# Altium PCB spin5v1_simple.PcbDoc (part 11 of 25)
Units mm, origin at the board's own origin, x right, y up, seen from the top; angles counter-clockwise.
Board outline 220.03 x 233.43 mm, 2 copper layers (TOP, BOTTOM), stack 0.176 mm thick; 1457 components, 4724 nets, 19245 pads, 25289 vias.
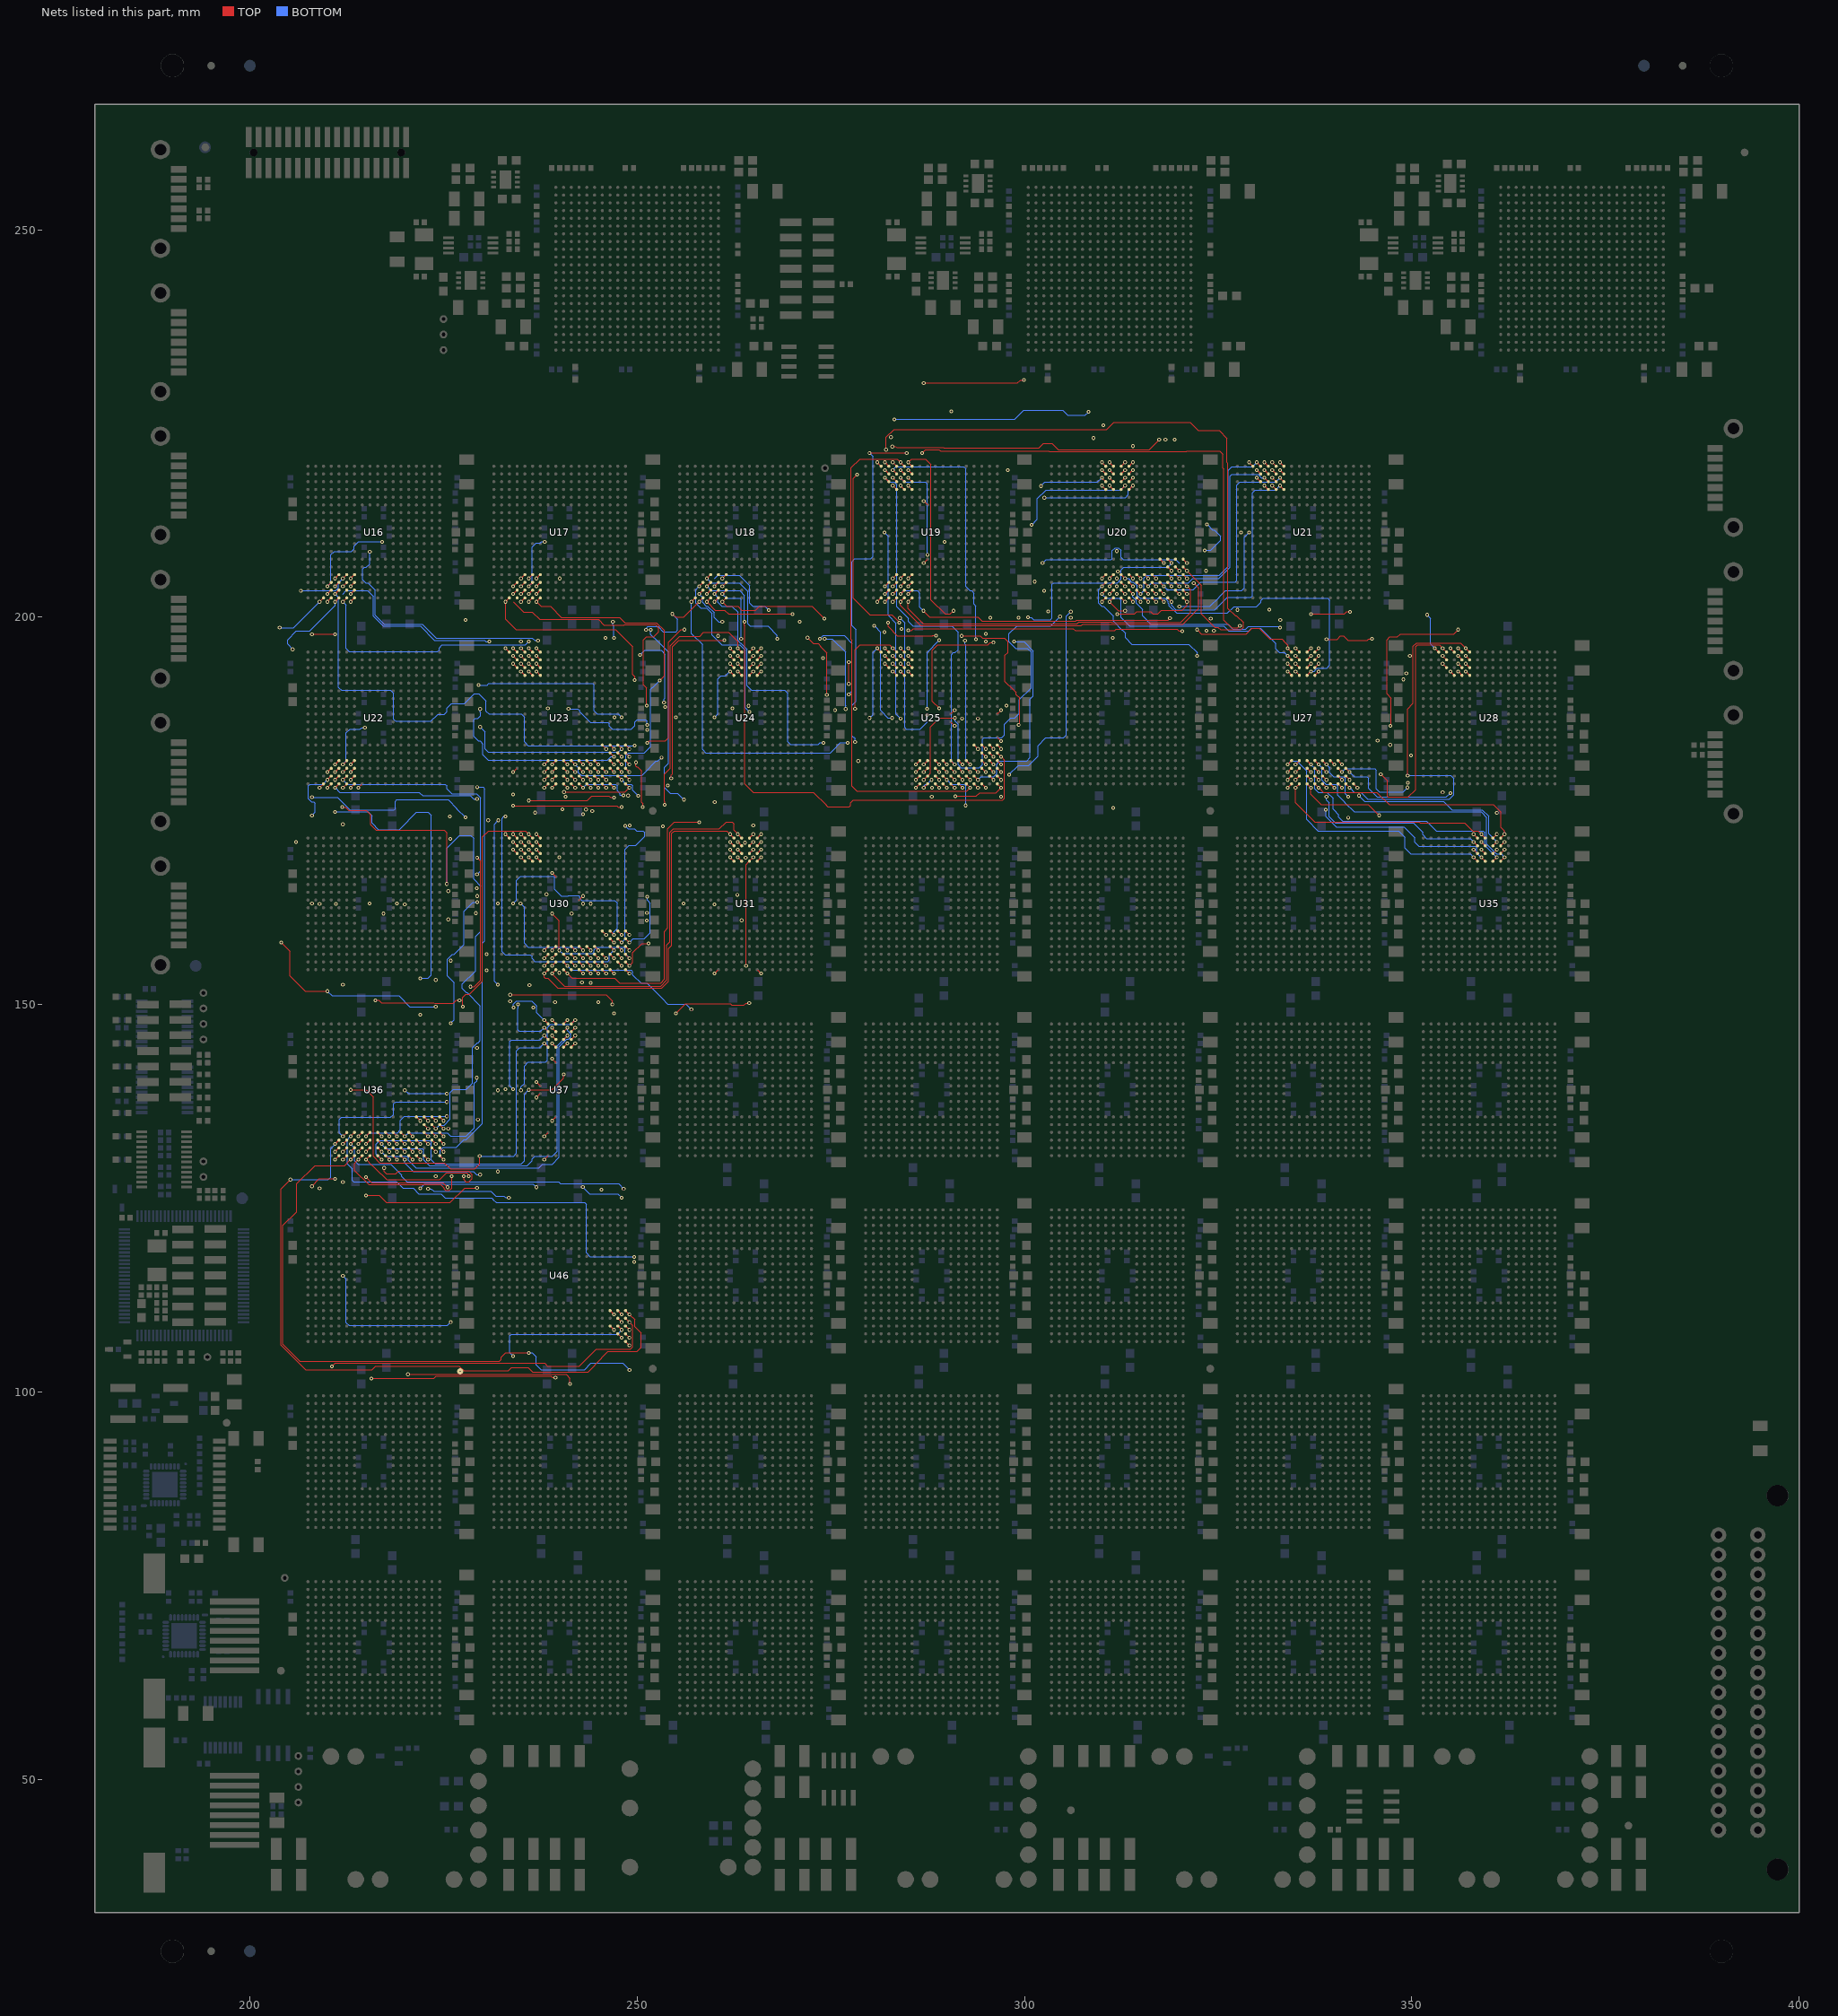
[diagram p11: the nets of this part, all layers, seen from the top]

## Via types
v1: diameter 0.48, hole 0.25, TOP to BOTTOM, 22348 vias
v2: diameter 0.61, hole 0.3, TOP to BOTTOM, 2059 vias
v3: diameter 0.8, hole 0, TOP to BOTTOM, 882 vias

## Nets (pads, with @x,y where several pads share a name; then routed paths per layer and width w, separated by ;. In a path a pad name is that pad's centre, name@x,y a point inside that pad or via, vN(x,y) a via of type N, cw(c..) or ccw(c..) an arc to the next point about the centre after c; other vN are vias at no path point) (continued)
S21_L2<5>: U36.V5 U46.P16 | length 11.1
  TOP w0.127: v1(215,127.718) 215.722,126.996 224.942,126.996 v1(225.516,126.422)
  other v1: 247,110 211,130
S21_L2<6>: U36.U5 U46.P17 | length 20.1
  BOTTOM w0.127: v1(212,115) 212.432,114.568 212.432,108.95 212.813,108.569 225.494,108.569 v1(225.925,109)
  other v1: 248,110 211,131
S21_L2<7>: U36.T5 U46.P18 | length 108.5
  TOP w0.127: v1(205.229,127.402) 204.004,126.177 204.004,106.016 207.179,102.841 215.74,102.841 216.234,103.335 226.989,103.335 227.616,102.708 233.355,102.708 233.782,103.135 235.933,103.135 236.485,102.583 243.653,102.583 245.431,104.361 245.431,104.42 246.257,105.246 249.978,105.246 250.486,105.754 250.486,107.603 249.685,108.404 249.685,109.315 v1(249,110) ; v1(220.4,102.273) 240.82,102.273 241.328,101.765 v1(241.328,101.028)
  BOTTOM w0.127: v1(205.229,127.402) 210.113,127.402 210.431,127.72 210.431,131.431 v1(211,132)
  other v3: 227.162,102.66
S21_L2<8>: U36.R7 U46.V18 | length 50.3
  BOTTOM w0.127: v1(213,133) 212.568,132.568 212.568,129.421 213.193,128.796 213.193,127.311 213.384,127.12 218.944,127.12 219.773,126.291 221.074,126.291 221.788,125.577 224.67,125.577 225.209,125.038 231.232,125.038 231.431,124.839 231.431,124.812 231.812,124.431 243.232,124.431 243.431,124.232 243.431,117.939 243.939,117.431 v1(249.607,117.431)
  other v1: 249,106 214,130 213,132
S21_L2<9>: U36.V6 U46.R17 | length 5.6
  BOTTOM w0.127: v1(242.979,126.435) 243.867,125.547 247.515,125.547 v1(248,125.062)
  other v1: 248,109 212,127.096 212,130
S21_L2<10>: U36.U6 U46.R18 | length 43.6
  TOP w0.127: v1(210.571,103.272) 211.002,103.703 238.056,103.703 238.425,103.334 242.539,103.334 244.254,105.049 244.254,105.055 244.699,105.5 249.113,105.5 249.431,105.818 249.431,108.569 v1(249,109)
  other v1: 209,126.262 212,131
S21_L2<11>: U36.T6 U46.T16
  other v1: 247,108 245.4,126.116 212,132
S21_L2<12>: U36.R6 U46.T17 | length 35.5
  BOTTOM w0.127: v1(212,133) 211.568,133.432 211.568,135.177 211.822,135.431 218.164,135.431 218.561,135.828 218.561,137.177 218.815,137.431 v1(225.431,137.431) ; v1(234,104.611) 233.569,105.042 233.569,107.232 233.768,107.431 247.431,107.431 v1(248,108)
S21_L2<13>: U36.V7 U46.T18 | length 78.2
  TOP w0.127: v1(213,130) 212.209,129.209 208.391,129.209 206.041,126.859 206.041,123.258 204.258,121.475 204.258,106.14 206.417,103.981 232.232,103.981 232.431,104.18 232.431,104.47 233.003,105.042 v1(236,105.042)
  BOTTOM w0.127: v1(236,105.042) 236.431,105.042 236.939,104.534 236.939,103.515 237.574,102.88 243.224,102.88 244.043,103.699 248.148,103.699 v1(249.007,102.84)
  other v1: 249,108
S21_L2<14>: U36.U7 U46.U17 | length 24
  TOP w0.127: v1(215.687,101.724) 223.737,101.724 224.032,102.019 238.853,102.019 239.03,101.842 v1(239.461,101.842)
  other v1: 248,107 213,131
S21_L2<15>: U36.T7 U46.U18 | length 38.7
  BOTTOM w0.127: 213,132 213.505,131.495 213.505,129.848 213.95,129.403 218.215,129.403 219.612,128.006 219.612,127.806 220.311,127.107 239.842,127.107 240.083,126.866 247.595,126.866 v1(248.261,126.2)
  other v1: 249,107 249.607,116.8
S22_L0<0>: U36.R11 U37.D11 | length 5.6
  BOTTOM w0.127: v1(220,138.931) 220.431,138.5 v1(225.431,138.5)
  other v1: 218,133 242,145 233.599,150.431
S22_L0<1>: U36.V10 U37.A10 | length 39.4
  TOP w0.127: v1(236,138.996) 238.989,138.996 240.513,140.52 v1(240.513,141)
  BOTTOM w0.127: v1(217,130) 216.315,130.685 216.315,131.986 216.76,132.431 223.232,132.431 223.431,132.232 223.431,129.942 223.939,129.434 235.05,129.434 235.431,129.815 235.431,138.427 v1(236,138.996)
  other v1: 241,148
S22_L0<2>: U36.U10 U37.B10 | length 42.2
  BOTTOM w0.127: v1(217,131) 217.569,130.431 220.232,130.431 220.431,130.232 220.431,129.923 221.447,128.907 237.299,128.907 237.795,129.403 239.05,129.403 239.939,130.292 239.939,144.565 240.892,145.518 241.127,145.518 241.431,145.822 241.431,146.178 241,146.609 v1(241,147)
  other v1: 238,130
S22_L0<3>: U36.T10 U37.C10 | length 41
  BOTTOM w0.127: v1(217,132) 217.569,131.431 222.232,131.431 222.431,131.232 222.431,129.942 223.193,129.18 235.796,129.18 236.431,129.815 236.431,130.05 236.812,130.431 239.05,130.431 239.685,131.066 239.685,144.685 v1(241,146)
  other v1: 238,133 239,135 237,138 237,140 239,143
S22_L0<4>: U36.R10 U37.D10
  other v1: 217,133 229.317,144.4 241,145
S22_L0<5>: U36.V11 U37.A11 | length 29.3
  TOP w0.127: v1(217.328,128.907) 217.328,128.475 217.646,128.157 218.829,128.157 219.179,128.507 228.215,128.507 228.66,128.062 228.66,127.534 228.263,127.137 227.876,127.137 227.622,127.391 v1(227.622,127.822)
  BOTTOM w0.127: v1(235,138.931) 235,139.404 235.1,139.504 235.113,139.504 235.431,139.822 235.431,142.058 235.939,142.566 238.177,142.566 238.431,142.82 238.431,147.05 238.812,147.431 241.431,147.431 v1(242,148)
  other v1: 218,130
S22_L0<6>: U36.U11 U37.B11 | length 11.2
  TOP w0.127: v1(216.2,150.558) 216.631,150.558 216.958,150.231 223.786,150.231 223.862,150.155 226.228,150.155 226.628,150.555 v1(227.059,150.555)
  other v1: 218,131 242,147 242.865,152.842
S22_L0<7>: U36.T11 U37.C11
  other v1: 218,132 242,146
S22_L0<8>: U36.R9 U37.D9 | length 12.2
  BOTTOM w0.127: v1(215,133) 215.431,133.431 219.05,133.431 219.431,133.812 219.431,135.061 219.939,135.569 v1(225.431,135.569)
  other v1: 239,145 236.607,149.631
S22_L0<9>: U36.V8 U37.A8 | length 23.1
  TOP w0.127: 214,130 213.503,129.503 213.503,128.584 215.345,126.742 224.64,126.742 225.085,126.297 225.085,126.19 225.284,125.991 225.737,125.991 226.055,126.309 v1(226.055,127.822)
  BOTTOM w0.127: v1(234.03,149.631) 234.03,150.065 234.427,150.462 236.403,150.462 237.038,149.827 237.038,148.939 237.546,148.431 237.569,148.431 v1(238,148)
S22_L0<10>: U36.U8 U37.B8 | length 7
  BOTTOM w0.127: v1(234.637,150.031) 234.637,149.6 234.569,149.532 234.569,146.768 234.768,146.569 237.569,146.569 v1(238,147)
  other v1: 214,131 232,138.931
S22_L0<11>: U36.T8 U37.C8 | length 26.6
  TOP w0.127: v1(215,125.37) 216.707,125.37 217.501,124.576 217.501,124.561 217.601,124.461 225.857,124.461 227.727,126.331 v1(229.317,126.331)
  BOTTOM w0.127: v1(234,139.067) 233.569,139.498 233.569,145.232 233.768,145.431 237.431,145.431 v1(238,146)
  other v1: 232,128.445 214,132
S22_L0<12>: U36.R8 U37.D8 | length 48.8
  TOP w0.127: v1(213,138.996) 214.987,138.996 215.94,138.043 215.94,130.395 216.766,129.569 225.101,129.569 225.886,128.784 229.03,128.784 229.665,129.419 v1(229.665,130.431)
  BOTTOM w0.127: v1(229.665,130.431) 234.05,130.431 234.431,130.812 234.431,144.05 234.812,144.431 237.431,144.431 v1(238,145)
  other v1: 214,133
S22_L0<13>: U36.V9 U37.A9 | length 15
  TOP w0.127: v1(215,130) 215.727,129.273 215.796,129.273 216.193,128.876 216.193,128.852 217.654,127.391 224.508,127.391 225.37,128.253 227.989,128.253 228.229,128.013 v1(228.229,127.822)
  other v1: 239,148
S22_L0<14>: U36.U9 U37.B9
  other v1: 215,131 239,147
S22_L0<15>: U36.T9 U37.C9 | length 15.4
  BOTTOM w0.127: v1(222,126.296) 222.557,126.853 236.569,126.853 v1(237,126.422)
  other v1: 215,132 239,146
S22_L1<0>: U30.D7 U36.V16
  other v1: 223,130 237,169
S22_L1<1>: U30.A6 U36.V14 | length 29.7
  TOP w0.127: v1(227.49,149.723) 227.49,150.916 227.871,151.297 228.32,151.297 230.035,153.012 230.035,171.669 230.797,172.431 235.569,172.431 v1(236,172)
  other v1: 221,130 222,148.685
S22_L1<2>: U30.B6 U36.U14
  other v1: 221,131 236,171
S22_L1<3>: U30.C6 U36.T14
  other v1: 221,132 232,163.067 236,170
S22_L1<4>: U30.D6 U36.R14
  other v1: 221,133 229.177,161.8 236,169
S22_L1<5>: U30.A7 U36.V15 | length 10.9
  BOTTOM w0.127: v1(223,126.206) 223.431,126.206 223.757,125.88 225.33,125.88 225.35,125.9 231.128,125.9 231.735,125.293 232.769,125.293 233,125.062 v1(233.431,125.062)
  other v1: 222,130 237,172
S22_L1<6>: U30.B7 U36.U15
  other v1: 222,131 229.431,135.158 229.35,164.014 237,171 230.771,173.8
S22_L1<7>: U30.C7 U36.T15
  other v1: 222,132 236.1,152.509 237,170
S22_L1<8>: U30.D5 U36.R13 | length 16.4
  BOTTOM w0.127: v1(220,133) 220.431,133.431 225.472,133.431 225.899,133.004 227.92,133.004 229,134.084 229,139.836 229.291,140.127 v1(229.291,140.558)
  other v1: 235,169
S22_L1<9>: U30.A3 U36.V12
  other v1: 219,130 233,172
S22_L1<10>: U30.A4 U36.U12
  other v1: 219,131 225.923,155.672 234,172
S22_L1<11>: U30.B4 U36.T12
  other v1: 219,132 230.569,154.43 234,171
S22_L1<12>: U30.C4 U36.R12
  other v1: 219,133 234,170
S22_L1<13>: U30.A5 U36.V13 | length 10.8
  BOTTOM w0.127: v1(220,130) 220,129.553 221.08,128.473 228.858,128.473 229.286,128.045 v1(229.717,128.045)
  other v1: 235,172
S22_L1<14>: U30.B5 U36.U13
  other v1: 220,131 223.999,153.178 235,171
S22_L1<15>: U30.C5 U36.T13
  other v1: 220,132 235,170
S22_L2<0>: U22.R5 U36.R16 | length 37.3
  BOTTOM w0.127: v1(211,174.866) 215.266,174.866 215.774,174.358 215.774,173.423 216.6,172.597 219.288,172.597 220.431,173.74 220.431,173.783 221.511,174.863 222.986,174.863 223.431,174.418 223.431,153.79 223.034,153.393 v1(222,153.393)
  other v1: 223,133 211,181
S22_L2<1>: U22.V3 U36.N15
  other v1: 222,135 209,163 209,178
S22_L2<2>: U22.V4 U36.N16
  other v1: 223,135 211.099,163 229.307,165.014 210,178
S22_L2<3>: U22.U4 U36.N17 | length 10.7
  TOP w0.127: v1(208,126.54) 208.956,127.496 v1(211,127.496)
  BOTTOM w0.127: v1(208,174.394) 208.431,174.825 208.431,175.978 208.232,176.177 207.966,176.177 207.569,176.574 207.569,178.232 207.768,178.431 209.431,178.431 v1(210,179)
  other v1: 224,127.822 224,135
S22_L2<4>: U22.T4 U36.N18
  other v1: 225,135 210,180
S22_L2<5>: U22.V5 U36.P16 | length 37.1
  BOTTOM w0.127: v1(211,178) 211.597,177.403 221.838,177.403 222.287,176.954 228.459,176.954 228.886,176.527 v1(229.317,176.527) ; v1(225.918,147.6) 226.349,148.031 226.349,152.827 225.492,153.684 225.492,155.858 226.127,156.493 226.388,156.493 227.658,157.763 227.658,162.064 228.801,163.207 v1(229.346,163.207)
  other v1: 223,134 214,178
S22_L2<6>: U22.U5 U36.P17 | length 74.8
  TOP w0.127: v1(211.93,175.497) 212.361,175.497 212.779,175.079 215.037,175.079 215.609,174.507 215.609,173.207 216.308,172.508 225.113,172.508 225.431,172.19 v1(225.431,165.57)
  BOTTOM w0.127: v1(224,134) 224.431,134.431 225.068,134.431 225.862,135.225 225.862,138.623 226.259,139.02 227.92,139.02 228.746,139.846 228.746,144.45 229.381,145.085 229.494,145.085 229.748,145.339 229.748,149.836 228.033,151.551 227.935,151.551 227.427,152.059 227.427,152.637 229.15,154.36 229.15,158.779 229.781,159.41 229.781,165.306 228.896,166.191 228.896,171.45 228.515,171.831 227.082,171.831 225.431,170.18 v1(225.431,165.57)
  other v1: 211,179
S22_L2<7>: U22.T5 U36.P18
  other v1: 225,134 212,173.278 211,180
S22_L2<8>: U22.R7 U36.V18 | length 52.7
  BOTTOM w0.127: v1(225,130) 224.568,130.432 224.568,131.185 224.949,131.566 226.654,131.566 227.051,131.963 227.051,131.998 227.623,132.57 227.906,132.57 230.002,134.666 230.002,157.922 230.315,158.235 230.315,177.871 230.116,178.07 v1(229.334,178.07)
  other v1: 213,181
S22_L2<9>: U22.V6 U36.R17
  other v1: 224,133 225.607,134 212,178
S22_L2<10>: U22.U6 U36.R18 | length 29
  BOTTOM w0.127: v1(212,179) 212.569,178.431 225.232,178.431 225.431,178.232 225.431,177.843 226.066,177.208 229.251,177.208 229.759,176.7 229.759,167.232 v1(229.327,166.8)
  other v1: 225,133
S22_L2<11>: U22.T6 U36.T16
  other v1: 223,132 212,152.588 212,180
S22_L2<12>: U22.R6 U36.T17 | length 6.9
  BOTTOM w0.127: v1(212,181) 212.431,181.431 212.431,185.058 212.939,185.566 214.233,185.566 214.409,185.742 v1(214.84,185.742)
  other v1: 224,132 225.607,161 219,163.069 225.862,171.4
S22_L2<13>: U22.V7 U36.T18
  other v1: 225,132 213,178
S22_L2<14>: U22.U7 U36.U17
  other v1: 224,131 233,139.069 213,179
S22_L2<15>: U22.T7 U36.U18
  other v1: 225,131 213,180
S23_L0<0>: U30.R11 U31.D11
  other v1: 242,157 260,162.931 266,169
S23_L0<1>: U30.V10 U31.A10 | length 37.2
  TOP w0.127: v1(241,154) 241.597,153.403 247.122,153.403 247.741,152.784 253.038,152.784 253.546,153.292 253.546,159.46 253.959,159.873 253.959,172.721 254.785,173.547 257.562,173.547 257.568,173.541 v1(257.999,173.541)
  other v1: 265,172 265,173.132
S23_L0<2>: U30.U10 U31.B10 | length 18.6
  BOTTOM w0.127: v1(241,155) 241.569,154.431 249.232,154.431 249.431,154.232 249.431,153.838 250.511,152.758 251.245,152.758 253.15,150.853 253.15,150.849 253.944,150.055 256.309,150.055 v1(257,149.364)
  other v1: 265,171
S23_L0<3>: U30.T10 U31.C10
  other v1: 241,156 262.927,164.172 265,170
S23_L0<4>: U30.R10 U31.D10 | length 23.8
  TOP w0.127: v1(255,148.862) 256.231,150.093 262.061,150.093 262.22,149.934 263.791,149.934 264.045,150.188 v1(264.476,150.188) ; v1(264.069,155) 264.069,168.069 U31.D10@264.5,168.5
  other v1: 247,148.862 241,157 265,169
S23_L0<5>: U30.V11 U31.A11
  other v1: 260,154 266,154 263.487,160.874 266,172
S23_L0<6>: U30.U11 U31.B11
  other v1: 242,155 264,168.968 266,171
S23_L0<7>: U30.T11 U31.C11
  other v1: 242,156 266,170 263.931,170.901
S23_L0<8>: U30.R9 U31.D9
  other v1: 239,157 263,169
S23_L0<9>: U30.V8 U31.A8 | length 44.6
  TOP w0.127: v1(238,154) 238,153.53 238.127,153.403 238.497,153.403 239.766,152.134 253.165,152.134 254.054,153.023 254.054,157.221 254.467,157.634 254.467,172.113 254.785,172.431 261.569,172.431 v1(262,172)
S23_L0<10>: U30.U8 U31.B8
  other v1: 238,155 251.237,160.862 262,171
S23_L0<11>: U30.T8 U31.C8
  other v1: 238,156 262,170
S23_L0<12>: U30.R8 U31.D8
  other v1: 238,157 262,169
S23_L0<13>: U30.V9 U31.A9 | length 45.5
  TOP w0.127: v1(239,154) 240.612,152.388 253.038,152.388 253.8,153.15 253.8,157.681 254.213,158.094 254.213,172.24 254.658,172.685 260.6,172.685 261.504,173.589 262.254,173.589 262.508,173.335 262.508,172.492 v1(263,172)
S23_L0<14>: U30.U9 U31.B9
  other v1: 239,155 238.295,164.242 239.931,169 263,171
S23_L0<15>: U30.T9 U31.C9
  other v1: 239,156 263,170
S23_L1<0>: U23.D7 U30.V16
  other v1: 247,154 237,193
S23_L1<1>: U23.A6 U30.V14
  other v1: 245,154 236,196
S23_L1<2>: U23.B6 U30.U14
  other v1: 239.931,154.099 245,155 236,195
S23_L1<3>: U23.C6 U30.T14
  other v1: 245,156 244.2,174.988 236,194
S23_L1<4>: U23.D6 U30.R14
  other v1: 245,157 243.4,175.185 236,193
S23_L1<5>: U23.A7 U30.V15
  other v1: 246,154 236.8,174.778 237,196
S23_L1<6>: U23.B7 U30.U15
  other v1: 246,155 237,195
S23_L1<7>: U23.C7 U30.T15
  other v1: 246,156 237,194
S23_L1<8>: U23.D5 U30.R13
  other v1: 244,157 244,163.022 235,193
S23_L1<9>: U23.A3 U30.V12
  other v1: 243,154 233,196
S23_L1<10>: U23.A4 U30.U12
  other v1: 243,155 234,196
S23_L1<11>: U23.B4 U30.T12 | length 17.7
  TOP w0.127: v1(228.465,152.305) 228.955,152.305 229.781,153.131 229.781,168.519 v1(229.328,168.972)
  other v1: 244,152.819 243,156 234,195
S23_L1<12>: U23.C4 U30.R12 | length 13.3
  BOTTOM w0.127: v1(234.93,163.069) 235.431,162.568 235.431,157.939 235.939,157.431 242.569,157.431 v1(243,157)
  other v1: 234,194
S23_L1<13>: U23.A5 U30.V13 | length 14
  TOP w0.127: v1(233.6,151.272) 245.997,151.272 246.569,150.7 246.569,150.691 246.8,150.46 v1(246.8,150.029)
  other v1: 244,154 234,177.132 235,196
S23_L1<14>: U23.B5 U30.U13
  other v1: 244,155 241.534,161.742 243,163.022 240.761,176.842 238.466,188.242 235,195
S23_L1<15>: U23.C5 U30.T13 | length 21.6
  BOTTOM w0.127: v1(232,152.578) 231.568,153.01 231.568,173.299 v1(232.069,173.8)
  other v1: 244,156 235,194
S23_L2<0>: U16.R5 U30.R16 | length 59.4
  TOP w0.127: v1(208,197.8) v1(211,197.8)
  BOTTOM w0.127: v1(208,176.765) 211.281,176.765 212.912,175.134 218.633,175.134 218.76,175.261 218.76,176.247 218.959,176.446 225.596,176.446 226.739,175.303 226.739,175.266 v1(227.827,174.178) ; v1(233,174.29) 232.809,174.29 232.569,174.05 232.569,156.812 232.95,156.431 236.232,156.431 236.431,156.232 236.431,155.95 236.812,155.569 246.232,155.569 246.431,155.768 246.431,156.431 v1(247,157)
  other v1: 211,205
S23_L2<1>: U16.V3 U30.N15 | length 31.8
  TOP w0.127: v1(204.043,158) 205.179,156.864 205.179,153.692 207.148,151.723 v1(210,151.723)
  BOTTOM w0.127: v1(203.835,198.662) 205.662,198.662 v1(209,202) ; v1(210,151.723) 210.594,151.129 219.254,151.129 220.66,149.723 v1(224,149.723)
  other v1: 246,159
S23_L2<2>: U16.V4 U30.N16 | length 23.2
  BOTTOM w0.127: v1(234,163.069) 234.431,163.5 234.431,166.058 234.939,166.566 239.211,166.566 239.311,166.466 239.311,164.892 240.2,164.003 241.052,164.003 241.115,164.066 242.461,164.066 242.561,163.966 242.561,163.771 242.879,163.453 247.113,163.453 247.431,163.135 247.431,159.822 247,159.391 v1(247,159)
  other v1: 243,164 225.607,164.651 239,167 225.8,174.29 210,202
S23_L2<3>: U16.U4 U30.N17
  other v1: 248,159 217.264,161.742 210,203
S23_L2<4>: U16.T4 U30.N18 | length 36.4
  BOTTOM w0.127: v1(210,204) 210.431,204.431 210.431,208.06 210.876,208.505 213.122,208.505 213.44,208.823 213.44,209.17 214.012,209.742 v1(217.087,209.742) ; v1(251.752,198.358) 251.752,197.76 252.149,197.363 252.193,197.363 254.035,195.521 254.035,181.152 253.532,180.649 253.532,178.05 254.294,177.288 255.205,177.288 v1(256.029,176.464)
  other v1: 249,159 256,163.068 240.001,205
S23_L2<5>: U16.V5 U30.P16 | length 9.9
  BOTTOM w0.127: v1(205.522,195.862) 204.86,196.524 204.86,197.088 206.003,198.231 207.698,198.231 211,201.533 v1(211,202)
  other v1: 247,158 215.46,163.035 205.945,170.997
S23_L2<6>: U16.U5 U30.P17 | length 80.2
  BOTTOM w0.127: v1(211,203) 211.432,202.568 211.432,190.947 211.813,190.566 218.164,190.566 218.561,190.169 218.561,186.823 218.815,186.569 223.364,186.569 224.284,187.489 225.113,187.489 225.431,187.807 225.431,188.271 226.003,188.843 227.676,188.843 228.967,190.134 229.546,190.134 230.499,189.181 230.499,187.879 230.88,187.498 235.05,187.498 235.431,187.117 235.431,183.939 235.939,183.431 v1(249.685,183.431) ; v1(248,158) 248.432,158.432 248.432,170.058 248.94,170.566 249.81,170.566 250.953,171.709 250.953,172.232 250.754,172.431 249.908,172.431 249.654,172.685 248.84,172.685 v1(248.448,173.077)
  other v1: 248.836,176.979
S23_L2<7>: U16.T5 U30.P18 | length 40
  BOTTOM w0.127: v1(215.487,208.465) 215.487,206.876 215.042,206.431 214.768,206.431 214.569,206.232 214.569,204.812 214.95,204.431 215.24,204.431 216.193,203.478 216.193,200.263 217.336,199.12 222.249,199.12 224.056,197.313 230.966,197.313 230.977,197.324 236.445,197.324 236.769,197 v1(237.2,197) ; v1(249,158) 249.496,158.496 250.936,158.496 251.698,159.258 251.698,163.103 251.3,163.501 v1(251.3,163.932)
  other v1: 253.317,173 211,204
S23_L2<8>: U16.R7 U30.V18
  other v1: 249,154 251.267,161.821 213,205
S23_L2<9>: U16.V6 U30.R17 | length 30.7
  BOTTOM w0.127: v1(212,202) 212.431,201.569 212.431,195.95 212.812,195.569 224.232,195.569 224.431,195.768 224.431,196.05 224.812,196.431 235.569,196.431 v1(236,196.862)
  other v1: 248,157
S23_L2<10>: U16.U6 U30.R18 | length 51.8
  TOP w0.127: v1(249.831,181.268) 249.831,180.812 249.958,180.685 250.043,180.685 250.551,180.177 250.551,176.095 250.727,175.919 v1(250.727,175.488)
  BOTTOM w0.127: 212,203 212.432,203.432 215.177,203.432 215.939,202.67 215.939,200.136 217.209,198.866 221.995,198.866 223.823,197.038 230.322,197.038 230.498,196.862 v1(230.929,196.862) ; v1(229.529,191.253) 230.644,191.253 230.822,191.431 244.232,191.431 244.431,191.232 244.431,187.931 244.828,187.534 247.533,187.534 v1(248,187.067)
  other v1: 249,157
S23_L2<11>: U16.T6 U30.T16
  other v1: 247,156 230.569,156.5 227.855,199.645 212,204
S23_L2<12>: U16.R6 U30.T17 | length 6.4
  BOTTOM w0.127: v1(206.569,203.431) 211.05,203.431 211.431,203.812 211.431,204.431 v1(212,205)
  other v1: 248,156 220,162.94 208,163.066
S23_L2<13>: U16.V7 U30.T18 | length 15.9
  TOP w0.127: v1(239,161.742) 239.931,160.811 v1(239.931,157)
  BOTTOM w0.127: v1(239.931,157) 240.362,156.569 244.232,156.569 244.431,156.768 244.431,157.05 244.812,157.431 248.232,157.431 248.431,157.232 248.431,156.569 v1(249,156)
  other v1: 213,202

## Text inside footprints (layer, text, board x,y; h text height)
U21: PIN_NUMBER "J18" at 344.166,211.5 h0.24; PIN_NUMBER "J17" at 343.166,211.5 h0.24; PIN_NUMBER "M17" at 343.166,208.5 h0.24; PIN_NUMBER "M18" at 344.166,208.5 h0.24; PIN_NUMBER "B18" at 344.166,218.5 h0.24; PIN_NUMBER "G16" at 342.166,213.5 h0.24; PIN_NUMBER "C16" at 342.166,217.5 h0.24; PIN_NUMBER "G17" at 343.166,213.5 h0.24; PIN_NUMBER "C13" at 339.166,217.5 h0.24; PIN_NUMBER "B13" at 339.166,218.5 h0.24; PIN_NUMBER "A13" at 339.166,219.5 h0.24; PIN_NUMBER "D14" at 340.166,216.5 h0.24; PIN_NUMBER "C14" at 340.166,217.5 h0.24; PIN_NUMBER "B14" at 340.166,218.5 h0.24; PIN_NUMBER "A14" at 340.166,219.5 h0.24; PIN_NUMBER "J16" at 342.166,211.5 h0.24; PIN_NUMBER "C17" at 343.166,217.5 h0.24; PIN_NUMBER "C18" at 344.166,217.5 h0.24; PIN_NUMBER "K17" at 343.166,210.5 h0.24; PIN_NUMBER "K18" at 344.166,210.5 h0.24; PIN_NUMBER "L15" at 341.166,209.5 h0.24; PIN_NUMBER "L16" at 342.166,209.5 h0.24; PIN_NUMBER "C15" at 341.166,217.5 h0.24; PIN_NUMBER "B15" at 341.166,218.5 h0.24; PIN_NUMBER "A15" at 341.166,219.5 h0.24; PIN_NUMBER "B16" at 342.166,218.5 h0.24; PIN_NUMBER "A16" at 342.166,219.5 h0.24; PIN_NUMBER "A17" at 343.166,219.5 h0.24; PIN_NUMBER "A18" at 344.166,219.5 h0.24; PIN_NUMBER "B17" at 343.166,218.5 h0.24; PIN_NUMBER "B12" at 338.166,218.5 h0.24; PIN_NUMBER "C12" at 338.166,217.5 h0.24; PIN_NUMBER "D16" at 342.166,216.5 h0.24; PIN_NUMBER "A12" at 338.166,219.5 h0.24; PIN_NUMBER "D13" at 339.166,216.5 h0.24; PIN_NUMBER "K15" at 341.166,210.5 h0.24; PIN_NUMBER "K16" at 342.166,210.5 h0.24; PIN_NUMBER "D17" at 343.166,216.5 h0.24; PIN_NUMBER "D18" at 344.166,216.5 h0.24; PIN_NUMBER "E16" at 342.166,215.5 h0.24; PIN_NUMBER "E17" at 343.166,215.5 h0.24; PIN_NUMBER "E18" at 344.166,215.5 h0.24; PIN_NUMBER "F16" at 342.166,214.5 h0.24; PIN_NUMBER "M16" at 342.166,208.5 h0.24; PIN_NUMBER "D12" at 338.166,216.5 h0.24; PIN_NUMBER "K2" at 327.854,210.5 h0.24; PIN_NUMBER "H3" at 328.854,212.5 h0.24; PIN_NUMBER "K3" at 328.854,210.5 h0.24; PIN_NUMBER "H4" at 329.854,212.5 h0.24; PIN_NUMBER "K1" at 326.624,210.5 h0.24; PIN_NUMBER "L4" at 329.854,209.5 h0.24; PIN_NUMBER "G3" at 328.854,213.5 h0.24; PIN_NUMBER "L3" at 328.854,209.5 h0.24; PIN_NUMBER "G4" at 329.854,213.5 h0.24; PIN_NUMBER "L2" at 327.854,209.5 h0.24; PIN_NUMBER "H1" at 326.624,212.5 h0.24; PIN_NUMBER "L1" at 326.624,209.5 h0.24; PIN_NUMBER "H2" at 327.854,212.5 h0.24; PIN_NUMBER "K4" at 329.854,210.5 h0.24; PIN_NUMBER "G2" at 327.854,213.5 h0.24; PIN_NUMBER "G1" at 326.624,213.5 h0.24; PIN_NUMBER "M2" at 327.854,208.5 h0.24; PIN_NUMBER "J2" at 327.854,211.5 h0.24; PIN_NUMBER "J1" at 326.624,211.5 h0.24; PIN_NUMBER "M4" at 329.854,208.5 h0.24; PIN_NUMBER "J3" at 328.854,211.5 h0.24; PIN_NUMBER "J4" at 329.854,211.5 h0.24; PIN_NUMBER "D2" at 327.854,216.5 h0.24; PIN_NUMBER "F4" at 329.854,214.5 h0.24; PIN_NUMBER "N1" at 326.624,207.5 h0.24; PIN_NUMBER "R3" at 328.854,205.5 h0.24; PIN_NUMBER "A1" at 326.624,219.5 h0.24; PIN_NUMBER "E1" at 326.624,215.5 h0.24; PIN_NUMBER "E2" at 327.854,215.5 h0.24; PIN_NUMBER "E3" at 328.854,215.5 h0.24; PIN_NUMBER "E4" at 329.854,215.5 h0.24; PIN_NUMBER "F1" at 326.624,214.5 h0.24; PIN_NUMBER "F2" at 327.854,214.5 h0.24; PIN_NUMBER "N3" at 328.854,207.5 h0.24; PIN_NUMBER "N4" at 329.854,207.5 h0.24; PIN_NUMBER "P1" at 326.624,206.5 h0.24; PIN_NUMBER "P2" at 327.854,206.5 h0.24; PIN_NUMBER "A2" at 327.854,219.5 h0.24; PIN_NUMBER "P3" at 328.854,206.5 h0.24; PIN_NUMBER "P4" at 329.854,206.5 h0.24; PIN_NUMBER "R1" at 326.624,205.5 h0.24; PIN_NUMBER "R2" at 327.854,205.5 h0.24; PIN_NUMBER "T1" at 326.624,204.5 h0.24; PIN_NUMBER "T2" at 327.854,204.5 h0.24; PIN_NUMBER "T3" at 328.854,204.5 h0.24; PIN_NUMBER "U1" at 326.624,203.5 h0.24; PIN_NUMBER "U2" at 327.854,203.5 h0.24; PIN_NUMBER "U3" at 328.854,203.5 h0.24; PIN_NUMBER "B1" at 326.624,218.5 h0.24; PIN_NUMBER "V1" at 326.624,202.5 h0.24; PIN_NUMBER "V2" at 327.854,202.5 h0.24; PIN_NUMBER "B2" at 327.854,218.5 h0.24; PIN_NUMBER "B3" at 328.854,218.5 h0.24; PIN_NUMBER "C1" at 326.624,217.5 h0.24; PIN_NUMBER "C2" at 327.854,217.5 h0.24; PIN_NUMBER "C3" at 328.854,217.5 h0.24; PIN_NUMBER "D3" at 328.854,216.5 h0.24; PIN_NUMBER "D4" at 329.854,216.5 h0.24; PIN_NUMBER "D1" at 326.624,216.5 h0.24; PIN_NUMBER "F3" at 328.854,214.5 h0.24; PIN_NUMBER "N2" at 327.854,207.5 h0.24; PIN_NUMBER "R4" at 329.854,205.5 h0.24; PIN_NUMBER "M1" at 326.624,208.5 h0.24; PIN_NUMBER "M3" at 328.854,208.5 h0.24; PIN_NUMBER "U16" at 342.166,203.5 h0.24; PIN_NUMBER "V17" at 343.166,202.5 h0.24; PIN_NUMBER "D15" at 341.166,216.5 h0.24; PIN_NUMBER "E15" at 341.166,215.5 h0.24; PIN_NUMBER "F15" at 341.166,214.5 h0.24; PIN_NUMBER "J15" at 341.166,211.5 h0.24; PIN_NUMBER "P15" at 341.166,206.5 h0.24; PIN_NUMBER "R15" at 341.166,205.5 h0.24; PIN_NUMBER "G18" at 344.166,213.5 h0.24; PIN_NUMBER "P14" at 340.166,206.5 h0.24; PIN_NUMBER "N13" at 339.166,207.5 h0.24; PIN_NUMBER "N14" at 340.166,207.5 h0.24; PIN_NUMBER "M12" at 338.166,208.5 h0.24; PIN_NUMBER "M13" at 339.166,208.5 h0.24; PIN_NUMBER "M14" at 340.166,208.5 h0.24; PIN_NUMBER "H12" at 338.166,212.5 h0.24; PIN_NUMBER "H13" at 339.166,212.5 h0.24; PIN_NUMBER "H14" at 340.166,212.5 h0.24; PIN_NUMBER "E6" at 331.854,215.5 h0.24; PIN_NUMBER "E7" at 332.854,215.5 h0.24; PIN_NUMBER "F7" at 332.854,214.5 h0.24; PIN_NUMBER "E8" at 333.854,215.5 h0.24; PIN_NUMBER "F8" at 333.854,214.5 h0.24; PIN_NUMBER "L5" at 330.854,209.5 h0.24; PIN_NUMBER "L6" at 331.854,209.5 h0.24; PIN_NUMBER "L7" at 332.854,209.5 h0.24; PIN_NUMBER "G7" at 332.854,213.5 h0.24; PIN_NUMBER "G5" at 330.854,213.5 h0.24; PIN_NUMBER "G6" at 331.854,213.5 h0.24; PIN_NUMBER "F5" at 330.854,214.5 h0.24; PIN_NUMBER "F6" at 331.854,214.5 h0.24; PIN_NUMBER "E5" at 330.854,215.5 h0.24; PIN_NUMBER "P11" at 337.166,206.5 h0.24; PIN_NUMBER "N11" at 337.166,207.5 h0.24; PIN_NUMBER "P12" at 338.166,206.5 h0.24; PIN_NUMBER "N12" at 338.166,207.5 h0.24; PIN_NUMBER "P13" at 339.166,206.5 h0.24; PIN_NUMBER "K12" at 338.166,210.5 h0.24; PIN_NUMBER "K13" at 339.166,210.5 h0.24; PIN_NUMBER "K14" at 340.166,210.5 h0.24; PIN_NUMBER "E10" at 335.936,215.5 h0.24; PIN_NUMBER "F10" at 335.936,214.5 h0.24; PIN_NUMBER "J5" at 330.854,211.5 h0.24; PIN_NUMBER "J6" at 331.854,211.5 h0.24; PIN_NUMBER "J7" at 332.854,211.5 h0.24; PIN_NUMBER "N9" at 334.854,207.5 h0.24; PIN_NUMBER "P9" at 334.854,206.5 h0.24; PIN_NUMBER "R17" at 343.166,205.5 h0.24; PIN_NUMBER "V18" at 344.166,202.5 h0.24; PIN_NUMBER "P18" at 344.166,206.5 h0.24; PIN_NUMBER "P17" at 343.166,206.5 h0.24; PIN_NUMBER "P16" at 342.166,206.5 h0.24; PIN_NUMBER "N18" at 344.166,207.5 h0.24; PIN_NUMBER "N17" at 343.166,207.5 h0.24; PIN_NUMBER "N16" at 342.166,207.5 h0.24; PIN_NUMBER "N15" at 341.166,207.5 h0.24; PIN_NUMBER "U18" at 344.166,203.5 h0.24; PIN_NUMBER "U17" at 343.166,203.5 h0.24; PIN_NUMBER "T18" at 344.166,204.5 h0.24; PIN_NUMBER "T17" at 343.166,204.5 h0.24; PIN_NUMBER "T16" at 342.166,204.5 h0.24; PIN_NUMBER "R18" at 344.166,205.5 h0.24; PIN_NUMBER "R16" at 342.166,205.5 h0.24; PIN_NUMBER "V12" at 338.166,202.5 h0.24; PIN_NUMBER "R13" at 339.166,205.5 h0.24; PIN_NUMBER "T15" at 341.166,204.5 h0.24; PIN_NUMBER "U15" at 341.166,203.5 h0.24; PIN_NUMBER "V15" at 341.166,202.5 h0.24; PIN_NUMBER "R14" at 340.166,205.5 h0.24; PIN_NUMBER "T14" at 340.166,204.5 h0.24; PIN_NUMBER "U14" at 340.166,203.5 h0.24; PIN_NUMBER "V14" at 340.166,202.5 h0.24; PIN_NUMBER "T13" at 339.166,204.5 h0.24; PIN_NUMBER "U13" at 339.166,203.5 h0.24; PIN_NUMBER "V13" at 339.166,202.5 h0.24; PIN_NUMBER "R12" at 338.166,205.5 h0.24; PIN_NUMBER "T12" at 338.166,204.5 h0.24; PIN_NUMBER "U12" at 338.166,203.5 h0.24; PIN_NUMBER "V16" at 342.166,202.5 h0.24; PIN_NUMBER "V8" at 333.854,202.5 h0.24; PIN_NUMBER "R9" at 334.854,205.5 h0.24; PIN_NUMBER "T11" at 337.166,204.5 h0.24; PIN_NUMBER "U11" at 337.166,203.5 h0.24; PIN_NUMBER "V11" at 337.166,202.5 h0.24; PIN_NUMBER "R10" at 335.936,205.5 h0.24; PIN_NUMBER "T10" at 335.936,204.5 h0.24; PIN_NUMBER "U10" at 335.936,203.5 h0.24; PIN_NUMBER "V10" at 335.936,202.5 h0.24; PIN_NUMBER "T9" at 334.854,204.5 h0.24; PIN_NUMBER "U9" at 334.854,203.5 h0.24; PIN_NUMBER "V9" at 334.854,202.5 h0.24; PIN_NUMBER "R8" at 333.854,205.5 h0.24; PIN_NUMBER "T8" at 333.854,204.5 h0.24; PIN_NUMBER "U8" at 333.854,203.5 h0.24; PIN_NUMBER "R11" at 337.166,205.5 h0.24; PIN_NUMBER "A8" at 333.854,219.5 h0.24; PIN_NUMBER "D9" at 334.854,216.5 h0.24; PIN_NUMBER "C11" at 337.166,217.5 h0.24; PIN_NUMBER "B11" at 337.166,218.5 h0.24; PIN_NUMBER "A11" at 337.166,219.5 h0.24; PIN_NUMBER "D10" at 335.936,216.5 h0.24; PIN_NUMBER "C10" at 335.936,217.5 h0.24; PIN_NUMBER "B10" at 335.936,218.5 h0.24; PIN_NUMBER "A10" at 335.936,219.5 h0.24; PIN_NUMBER "C9" at 334.854,217.5 h0.24; PIN_NUMBER "B9" at 334.854,218.5 h0.24; PIN_NUMBER "A9" at 334.854,219.5 h0.24; PIN_NUMBER "D8" at 333.854,216.5 h0.24; PIN_NUMBER "C8" at 333.854,217.5 h0.24; PIN_NUMBER "B8" at 333.854,218.5 h0.24; PIN_NUMBER "D11" at 337.166,216.5 h0.24; PIN_NUMBER "V6" at 331.854,202.5 h0.24; PIN_NUMBER "R7" at 332.854,205.5 h0.24; PIN_NUMBER "T5" at 330.854,204.5 h0.24; PIN_NUMBER "U5" at 330.854,203.5 h0.24; PIN_NUMBER "V5" at 330.854,202.5 h0.24; PIN_NUMBER "T4" at 329.854,204.5 h0.24; PIN_NUMBER "U4" at 329.854,203.5 h0.24; PIN_NUMBER "V4" at 329.854,202.5 h0.24; PIN_NUMBER "V3" at 328.854,202.5 h0.24; PIN_NUMBER "T7" at 332.854,204.5 h0.24; PIN_NUMBER "U7" at 332.854,203.5 h0.24; PIN_NUMBER "V7" at 332.854,202.5 h0.24; PIN_NUMBER "R6" at 331.854,205.5 h0.24; PIN_NUMBER "T6" at 331.854,204.5 h0.24; PIN_NUMBER "U6" at 331.854,203.5 h0.24; PIN_NUMBER "R5" at 330.854,205.5 h0.24; PIN_NUMBER "A3" at 328.854,219.5 h0.24; PIN_NUMBER "D5" at 330.854,216.5 h0.24; PIN_NUMBER "C7" at 332.854,217.5 h0.24; PIN_NUMBER "B7" at 332.854,218.5 h0.24; PIN_NUMBER "A7" at 332.854,219.5 h0.24; PIN_NUMBER "D6" at 331.854,216.5 h0.24; PIN_NUMBER "C6" at 331.854,217.5 h0.24; PIN_NUMBER "B6" at 331.854,218.5 h0.24; PIN_NUMBER "A6" at 331.854,219.5 h0.24; PIN_NUMBER "C5" at 330.854,217.5 h0.24; PIN_NUMBER "B5" at 330.854,218.5 h0.24; PIN_NUMBER "A5" at 330.854,219.5 h0.24; PIN_NUMBER "C4" at 329.854,217.5 h0.24; PIN_NUMBER "B4" at 329.854,218.5 h0.24; PIN_NUMBER "A4" at 329.854,219.5 h0.24; PIN_NUMBER "D7" at 332.854,216.5 h0.24; PIN_NUMBER "H16" at 342.166,212.5 h0.24; PIN_NUMBER "H15" at 341.166,212.5 h0.24; PIN_NUMBER "F17" at 343.166,214.5 h0.24; PIN_NUMBER "F18" at 344.166,214.5 h0.24; PIN_NUMBER "L12" at 338.166,209.5 h0.24; PIN_NUMBER "L13" at 339.166,209.5 h0.24; PIN_NUMBER "L14" at 340.166,209.5 h0.24; PIN_NUMBER "L17" at 343.166,209.5 h0.24; PIN_NUMBER "L18" at 344.166,209.5 h0.24; PIN_NUMBER "J12" at 338.166,211.5 h0.24; PIN_NUMBER "J13" at 339.166,211.5 h0.24; PIN_NUMBER "J14" at 340.166,211.5 h0.24; PIN_NUMBER "H17" at 343.166,212.5 h0.24; PIN_NUMBER "H18" at 344.166,212.5 h0.24; PIN_NUMBER "G12" at 338.166,213.5 h0.24; PIN_NUMBER "G13" at 339.166,213.5 h0.24; PIN_NUMBER "G14" at 340.166,213.5 h0.24; PIN_NUMBER "F13" at 339.166,214.5 h0.24; PIN_NUMBER "F14" at 340.166,214.5 h0.24; PIN_NUMBER "E14" at 340.166,215.5 h0.24; PIN_NUMBER "E9" at 334.854,215.5 h0.24; PIN_NUMBER "F9" at 334.854,214.5 h0.24; PIN_NUMBER "F11" at 337.166,214.5 h0.24; PIN_NUMBER "E11" at 337.166,215.5 h0.24; PIN_NUMBER "F12" at 338.166,214.5 h0.24; PIN_NUMBER "E12" at 338.166,215.5 h0.24; PIN_NUMBER "E13" at 339.166,215.5 h0.24; PIN_NUMBER "P5" at 330.854,206.5 h0.24; PIN_NUMBER "N6" at 331.854,207.5 h0.24; PIN_NUMBER "N5" at 330.854,207.5 h0.24; PIN_NUMBER "M5" at 330.854,208.5 h0.24; PIN_NUMBER "M6" at 331.854,208.5 h0.24; PIN_NUMBER "M7" at 332.854,208.5 h0.24; PIN_NUMBER "K5" at 330.854,210.5 h0.24; PIN_NUMBER "K6" at 331.854,210.5 h0.24; PIN_NUMBER "K7" at 332.854,210.5 h0.24; PIN_NUMBER "H5" at 330.854,212.5 h0.24; PIN_NUMBER "H6" at 331.854,212.5 h0.24; PIN_NUMBER "H7" at 332.854,212.5 h0.24; PIN_NUMBER "P6" at 331.854,206.5 h0.24; PIN_NUMBER "N7" at 332.854,207.5 h0.24; PIN_NUMBER "P7" at 332.854,206.5 h0.24; PIN_NUMBER "N8" at 333.854,207.5 h0.24; PIN_NUMBER "P8" at 333.854,206.5 h0.24; PIN_NUMBER "P10" at 335.936,206.5 h0.24; PIN_NUMBER "N10" at 335.936,207.5 h0.24; PIN_NUMBER "G15" at 341.166,213.5 h0.24; PIN_NUMBER "M15" at 341.166,208.5 h0.24